# KiCad board mse-68-hd-panel.kicad_pcb (continued)
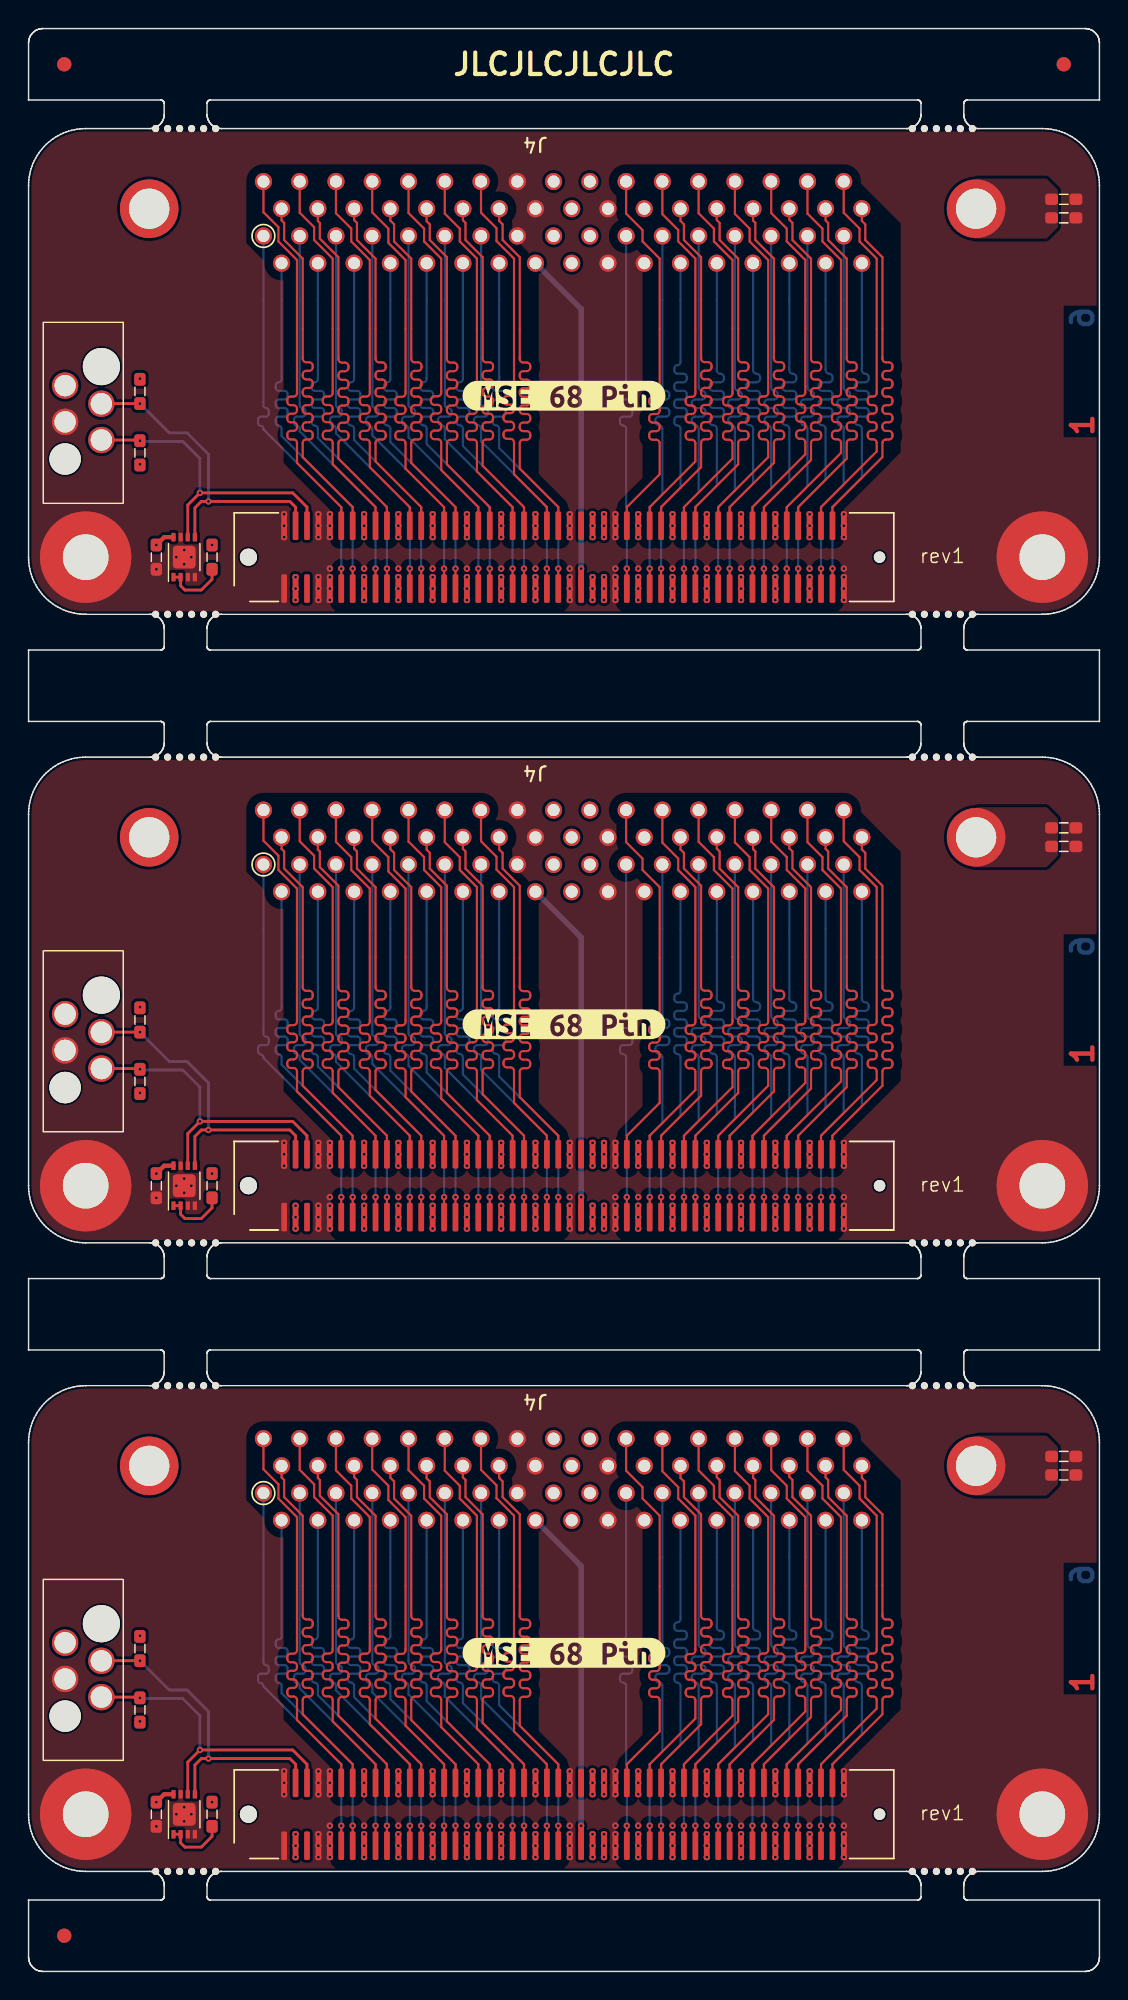
[diagram p0: board, top side]
## Routing (per net, layer and track width the routed paths; a pad name or vN(x,y) marks a point on that pad's centre or on a via; arc(x,y) is an arc through that point) (continued)
Board_1-/CON.DB9+: length 27.9
  Top w0.151: J1#3.91 v1(53.9,54.2)
  Bottom w0.151: J4#3.32 55.82,68.08 arc(55.89,67.91) 56.06,67.84 56.06,67.84 arc(56.23,67.77) 56.3,67.6 56.3,67.48 arc(56.23,67.31) 56.06,67.24 55.58,67.24 arc(55.41,67.17) 55.34,67 55.34,66.88 arc(55.41,66.71) 55.58,66.64 56.06,66.64 arc(56.23,66.57) 56.3,66.4 56.3,66.28 arc(56.23,66.11) 56.06,66.04 55.58,66.04 arc(55.41,65.97) 55.34,65.8 55.34,65.68 arc(55.41,65.51) 55.58,65.44 56.06,65.44 arc(56.23,65.37) 56.3,65.2 56.3,65.08 arc(56.23,64.91) 56.06,64.84 55.58,64.84 arc(55.41,64.77) 55.34,64.6 55.34,64.48 arc(55.41,64.31) 55.58,64.24 55.58,64.24 arc(55.75,64.17) 55.82,64 55.82,60.42 53.9,58.5 v1(53.9,54.2)
Board_1-/CON.DB9-: length 29.2
  Top w0.151: J4#3.66 55.82,78.58 56,78.4 56,77.2 57.3,75.9 57.3,68.88 arc(57.37,68.71) 57.54,68.64 57.77,68.64 arc(57.94,68.57) 58.01,68.4 58.01,68.28 arc(57.94,68.11) 57.77,68.04 57.54,68.04 arc(57.37,67.97) 57.3,67.8 57.3,67.68 arc(57.37,67.51) 57.54,67.44 57.77,67.44 arc(57.94,67.37) 58.01,67.2 58.01,67.08 arc(57.94,66.91) 57.77,66.84 57.54,66.84 arc(57.37,66.77) 57.3,66.6 57.3,66.48 arc(57.37,66.31) 57.54,66.24 57.77,66.24 arc(57.94,66.17) 58.01,66 58.01,65.88 arc(57.94,65.71) 57.77,65.64 57.54,65.64 arc(57.37,65.57) 57.3,65.4 57.3,65.28 arc(57.37,65.11) 57.54,65.04 57.77,65.04 arc(57.94,64.97) 58.01,64.8 58.01,64.68 arc(57.94,64.51) 57.77,64.44 57.54,64.44 arc(57.37,64.37) 57.3,64.2 57.3,64.08 arc(57.37,63.91) 57.54,63.84 57.77,63.84 arc(57.94,63.77) 58.01,63.6 58.01,63.48 arc(57.94,63.31) 57.77,63.24 57.54,63.24 arc(57.37,63.17) 57.3,63 57.3,61.9 53.9,58.5 J1#3.92
Board_1-/CON.DB10+: length 27.9
  Top w0.151: J1#3.95 v1(55.5,54.2)
  Bottom w0.151: J4#3.33 57.09,66.86 arc(57.15,66.71) 57.31,66.64 arc(57.47,66.58) 57.53,66.42 57.53,66.26 arc(57.47,66.11) 57.31,66.04 56.87,66.04 arc(56.71,65.98) 56.64,65.82 56.64,65.67 arc(56.71,65.51) 56.87,65.44 57.31,65.44 arc(57.47,65.38) 57.54,65.22 57.54,65.07 arc(57.47,64.91) 57.31,64.84 56.87,64.84 arc(56.71,64.78) 56.65,64.62 56.65,64.44 arc(56.71,64.29) 56.87,64.22 arc(57.03,64.16) 57.09,64 57.09,60.09 55.5,58.5 v1(55.5,54.2)
Board_1-/CON.DB10-: length 29.2
  Top w0.151: J1#3.96 55.5,58.5 59.4,62.4 59.4,63.01 arc(59.33,63.18) 59.16,63.25 59.01,63.25 arc(58.84,63.32) 58.77,63.49 58.77,63.61 arc(58.84,63.78) 59.01,63.85 59.16,63.85 arc(59.33,63.92) 59.4,64.09 59.4,64.21 arc(59.33,64.38) 59.16,64.45 59.01,64.45 arc(58.84,64.52) 58.77,64.69 58.77,64.81 arc(58.84,64.98) 59.01,65.05 59.16,65.05 arc(59.33,65.12) 59.4,65.29 59.4,65.41 arc(59.33,65.58) 59.16,65.65 59.01,65.65 arc(58.84,65.72) 58.77,65.89 58.77,66.01 arc(58.84,66.18) 59.01,66.25 59.16,66.25 arc(59.33,66.32) 59.4,66.49 59.4,75.9 58.2,77.1 58.2,78 57.09,79.11 J4#3.67
Board_1-/CON.DB11+: length 27.9
  Top w0.151: J1#3.97 v1(56.3,54.2)
  Bottom w0.151: J4#3.34 58.36,68.08 arc(58.43,67.91) 58.6,67.84 arc(58.77,67.77) 58.84,67.6 58.84,67.48 arc(58.77,67.31) 58.6,67.24 58.12,67.24 arc(57.95,67.17) 57.88,67 57.88,66.88 arc(57.95,66.71) 58.12,66.64 58.6,66.64 arc(58.77,66.57) 58.84,66.4 58.84,66.28 arc(58.77,66.11) 58.6,66.04 58.12,66.04 arc(57.95,65.97) 57.88,65.8 57.88,65.68 arc(57.95,65.51) 58.12,65.44 58.6,65.44 arc(58.77,65.37) 58.84,65.2 58.84,65.08 arc(58.77,64.91) 58.6,64.84 58.12,64.84 arc(57.95,64.77) 57.88,64.6 57.88,64.48 arc(57.95,64.31) 58.12,64.24 arc(58.29,64.17) 58.36,64 58.36,60.56 56.3,58.5 v1(56.3,54.2)
Board_1-/CON.DB11-: length 29.2
  Top w0.151: J1#3.98 56.3,58.5 59.8,62 59.8,63 arc(59.87,63.17) 60.04,63.24 60.26,63.24 arc(60.43,63.31) 60.5,63.48 60.5,63.6 arc(60.43,63.77) 60.26,63.84 60.04,63.84 arc(59.87,63.91) 59.8,64.08 59.8,64.2 arc(59.87,64.37) 60.04,64.44 60.26,64.44 arc(60.43,64.51) 60.5,64.68 60.5,64.8 arc(60.43,64.97) 60.26,65.04 60.04,65.04 arc(59.87,65.11) 59.8,65.28 59.8,65.4 arc(59.87,65.57) 60.04,65.64 60.26,65.64 arc(60.43,65.71) 60.5,65.88 60.5,66 arc(60.43,66.17) 60.26,66.24 60.04,66.24 arc(59.87,66.31) 59.8,66.48 59.8,66.6 arc(59.87,66.77) 60.04,66.84 60.26,66.84 arc(60.43,66.91) 60.5,67.08 60.5,67.2 arc(60.43,67.37) 60.26,67.44 60.04,67.44 arc(59.87,67.51) 59.8,67.68 59.8,67.8 arc(59.87,67.97) 60.04,68.04 60.26,68.04 arc(60.43,68.11) 60.5,68.28 60.5,68.4 arc(60.43,68.57) 60.26,68.64 60.04,68.64 arc(59.87,68.71) 59.8,68.88 59.8,76 58.6,77.2 58.6,78.3 58.36,78.54 J4#3.68
Board_1-/CON.DB12+: length 27.9
  Top w0.151: J1#3.11 v1(21.9,54.2)
  Bottom w0.151: v1(21.9,54.2) 21.9,58.5 16.45,63.95 16.45,64 arc(16.4,64.13) 16.26,64.19 arc(16.13,64.24) 16.08,64.37 16.08,64.66 arc(16.13,64.79) 16.26,64.84 16.64,64.84 arc(16.77,64.9) 16.82,65.03 16.82,65.26 arc(16.77,65.39) 16.64,65.44 arc(16.5,65.5) 16.45,65.63 J4#3.1
Board_1-/CON.DB12-: length 29.2
  Top w0.151: J4#3.35 16.45,79.15 17.5,78.1 17.5,77.1 18.8,75.8 18.8,66.48 arc(18.73,66.31) 18.56,66.24 18.36,66.24 arc(18.19,66.17) 18.12,66 18.12,65.88 arc(18.19,65.71) 18.36,65.64 18.56,65.64 arc(18.73,65.57) 18.8,65.4 18.8,65.28 arc(18.73,65.11) 18.56,65.04 18.36,65.04 arc(18.19,64.97) 18.12,64.8 18.12,64.68 arc(18.19,64.51) 18.36,64.44 18.56,64.44 arc(18.73,64.37) 18.8,64.2 18.8,64.08 arc(18.73,63.91) 18.56,63.84 18.36,63.84 arc(18.19,63.77) 18.12,63.6 18.12,63.48 arc(18.19,63.31) 18.36,63.24 18.56,63.24 arc(18.73,63.17) 18.8,63 18.8,61.6 21.9,58.5 J1#3.12
Board_1-/CON.DB13+: length 27.9
  Top w0.151: J1#3.13 v1(22.7,54.2)
  Bottom w0.151: J4#3.2 17.72,67.45 arc(17.66,67.3) 17.51,67.24 arc(17.37,67.18) 17.31,67.04 17.31,66.85 arc(17.37,66.7) 17.51,66.64 17.93,66.64 arc(18.08,66.58) 18.14,66.43 18.14,66.25 arc(18.08,66.1) 17.93,66.04 17.51,66.04 arc(17.36,65.98) 17.3,65.83 17.3,65.65 arc(17.36,65.5) 17.51,65.44 17.93,65.44 arc(18.08,65.38) 18.14,65.23 18.14,65.05 arc(18.08,64.9) 17.93,64.84 17.51,64.84 arc(17.37,64.78) 17.31,64.64 17.31,64.41 arc(17.37,64.27) 17.51,64.21 arc(17.66,64.15) 17.72,64 17.72,63.48 22.7,58.5 v1(22.7,54.2)
Board_1-/CON.DB13-: length 29.2
  Top w0.151: J1#3.14 22.7,58.5 19.2,62 19.2,63 arc(19.27,63.17) 19.44,63.24 19.66,63.24 arc(19.83,63.31) 19.9,63.48 19.9,63.6 arc(19.83,63.77) 19.66,63.84 19.44,63.84 arc(19.27,63.91) 19.2,64.08 19.2,64.2 arc(19.27,64.37) 19.44,64.44 19.66,64.44 arc(19.83,64.51) 19.9,64.68 19.9,64.8 arc(19.83,64.97) 19.66,65.04 19.44,65.04 arc(19.27,65.11) 19.2,65.28 19.2,65.4 arc(19.27,65.57) 19.44,65.64 19.66,65.64 arc(19.83,65.71) 19.9,65.88 19.9,66 arc(19.83,66.17) 19.66,66.24 19.44,66.24 arc(19.27,66.31) 19.2,66.48 19.2,66.6 arc(19.27,66.77) 19.44,66.84 19.66,66.84 arc(19.83,66.91) 19.9,67.08 19.9,67.2 arc(19.83,67.37) 19.66,67.44 19.44,67.44 arc(19.27,67.51) 19.2,67.68 19.2,67.8 arc(19.27,67.97) 19.44,68.04 19.66,68.04 arc(19.83,68.11) 19.9,68.28 19.9,68.4 arc(19.83,68.57) 19.66,68.64 19.44,68.64 arc(19.27,68.71) 19.2,68.88 19.2,75.9 17.9,77.2 17.9,78.4 17.72,78.58 J4#3.36
Board_1-/CON.DB14+: length 27.9
  Top w0.151: J1#3.17 v1(24.3,54.2)
  Bottom w0.151: v1(24.3,54.2) 24.3,58.5 18.99,63.81 18.99,64 arc(18.93,64.14) 18.79,64.2 arc(18.66,64.26) 18.6,64.39 18.6,64.65 arc(18.66,64.78) 18.79,64.84 19.19,64.84 arc(19.32,64.9) 19.38,65.04 19.38,65.25 arc(19.32,65.38) 19.19,65.44 arc(19.05,65.5) 18.99,65.64 J4#3.3
Board_1-/CON.DB14-: length 29.2
  Top w0.151: J4#3.37 18.99,79.11 20,78.1 20,77.2 21.3,75.9 21.3,66.49 arc(21.23,66.32) 21.06,66.25 20.85,66.25 arc(20.68,66.18) 20.61,66.01 20.61,65.89 arc(20.68,65.72) 20.85,65.65 21.06,65.65 arc(21.23,65.58) 21.3,65.41 21.3,65.29 arc(21.23,65.12) 21.06,65.05 20.85,65.05 arc(20.68,64.98) 20.61,64.81 20.61,64.69 arc(20.68,64.52) 20.85,64.45 21.06,64.45 arc(21.23,64.38) 21.3,64.21 21.3,64.09 arc(21.23,63.92) 21.06,63.85 20.85,63.85 arc(20.68,63.78) 20.61,63.61 20.61,63.49 arc(20.68,63.32) 20.85,63.25 21.06,63.25 arc(21.23,63.18) 21.3,63.01 21.3,61.5 24.3,58.5 J1#3.18
Board_1-/CON.DB15+: length 27.9
  Top w0.151: J1#3.19 v1(25.1,54.2)
  Bottom w0.151: J4#3.4 20.26,67.45 arc(20.2,67.3) 20.05,67.24 arc(19.9,67.18) 19.84,67.03 19.84,66.85 arc(19.9,66.7) 20.05,66.64 20.47,66.64 arc(20.63,66.58) 20.69,66.43 20.69,66.26 arc(20.63,66.1) 20.47,66.04 20.05,66.04 arc(19.89,65.98) 19.83,65.83 19.83,65.66 arc(19.89,65.5) 20.05,65.44 20.47,65.44 arc(20.63,65.38) 20.69,65.23 20.69,65.06 arc(20.63,64.9) 20.47,64.84 20.05,64.84 arc(19.9,64.78) 19.84,64.63 19.84,64.42 arc(19.9,64.27) 20.05,64.21 arc(20.2,64.15) 20.26,64 20.26,63.34 25.1,58.5 v1(25.1,54.2)
Board_1-/CON.DB15-: length 29.2
  Top w0.151: J4#3.38 20.26,78.54 20.4,78.4 20.4,77.3 21.7,76 21.7,68.86 arc(21.77,68.69) 21.94,68.62 22.17,68.62 arc(22.34,68.55) 22.41,68.38 22.41,68.26 arc(22.34,68.09) 22.17,68.02 21.94,68.02 arc(21.77,67.95) 21.7,67.78 21.7,67.66 arc(21.77,67.49) 21.94,67.42 22.17,67.42 arc(22.34,67.35) 22.41,67.18 22.41,67.06 arc(22.34,66.89) 22.17,66.82 21.94,66.82 arc(21.77,66.75) 21.7,66.58 21.7,66.46 arc(21.77,66.29) 21.94,66.22 22.17,66.22 arc(22.34,66.15) 22.41,65.98 22.41,65.86 arc(22.34,65.69) 22.17,65.62 21.94,65.62 arc(21.77,65.55) 21.7,65.38 21.7,65.26 arc(21.77,65.09) 21.94,65.02 22.17,65.02 arc(22.34,64.95) 22.41,64.78 22.41,64.66 arc(22.34,64.49) 22.17,64.42 21.94,64.42 arc(21.77,64.35) 21.7,64.18 21.7,64.06 arc(21.77,63.89) 21.94,63.82 22.17,63.82 arc(22.34,63.75) 22.41,63.58 22.41,63.46 arc(22.34,63.29) 22.17,63.22 21.94,63.22 arc(21.77,63.15) 21.7,62.98 21.7,61.9 25.1,58.5 J1#3.20
Board_1-/CON.DIFFSENSE: length 24.1
  Top w0.4: J1#3.53 v1(38.7,54.2)
  Bottom w0.4: J4#3.16 38.7,72.38 v1(38.7,54.2)
Board_1-/CON.DP0+: length 27.9
  Top w0.151: J1#3.49 v1(37.1,54.2)
  Bottom w0.151: J4#3.14 32.96,67.47 arc(32.89,67.31) 32.73,67.24 arc(32.56,67.17) 32.5,67.01 32.5,66.87 arc(32.56,66.71) 32.73,66.64 33.19,66.64 arc(33.36,66.57) 33.43,66.41 33.43,66.27 arc(33.36,66.11) 33.19,66.04 32.73,66.04 arc(32.56,65.97) 32.49,65.81 32.49,65.67 arc(32.56,65.51) 32.73,65.44 33.19,65.44 arc(33.36,65.37) 33.43,65.21 33.43,65.07 arc(33.36,64.91) 33.19,64.84 32.73,64.84 arc(32.56,64.77) 32.5,64.61 32.5,64.47 arc(32.56,64.3) 32.73,64.23 arc(32.89,64.17) 32.96,64 32.96,62.64 37.1,58.5 v1(37.1,54.2)
Board_1-/CON.DP0-: length 29.2
  Top w0.151: J1#3.50 37.1,58.5 34.4,61.2 34.4,62.99 arc(34.47,63.16) 34.64,63.23 34.9,63.23 arc(35.07,63.3) 35.14,63.47 35.14,63.59 arc(35.07,63.76) 34.9,63.83 34.64,63.83 arc(34.47,63.9) 34.4,64.07 34.4,64.19 arc(34.47,64.36) 34.64,64.43 34.9,64.43 arc(35.07,64.5) 35.14,64.67 35.14,64.79 arc(35.07,64.96) 34.9,65.03 34.64,65.03 arc(34.47,65.1) 34.4,65.27 34.4,65.39 arc(34.47,65.56) 34.64,65.63 34.9,65.63 arc(35.07,65.7) 35.14,65.87 35.14,65.99 arc(35.07,66.16) 34.9,66.23 34.64,66.23 arc(34.47,66.3) 34.4,66.47 34.4,66.59 arc(34.47,66.76) 34.64,66.83 34.9,66.83 arc(35.07,66.9) 35.14,67.07 35.14,67.19 arc(35.07,67.36) 34.9,67.43 34.64,67.43 arc(34.47,67.5) 34.4,67.67 34.4,67.79 arc(34.47,67.96) 34.64,68.03 34.9,68.03 arc(35.07,68.1) 35.14,68.27 35.14,68.39 arc(35.07,68.56) 34.9,68.63 34.64,68.63 arc(34.47,68.7) 34.4,68.87 34.4,76 33.2,77.2 33.2,78.3 32.96,78.54 J4#3.48
Board_1-/CON.DP1+: length 27.9
  Top w0.151: J1#3.23 v1(26.7,54.2)
  Bottom w0.151: v1(26.7,54.2) 26.7,58.5 21.53,63.67 21.53,64 arc(21.47,64.15) 21.32,64.21 arc(21.18,64.27) 21.12,64.42 21.12,64.64 arc(21.18,64.78) 21.32,64.84 21.74,64.84 arc(21.88,64.9) 21.94,65.05 21.94,65.24 arc(21.88,65.38) 21.74,65.44 arc(21.59,65.5) 21.53,65.65 J4#3.5
Board_1-/CON.DP1-: length 29.2
  Top w0.151: J1#3.24 26.7,58.5 23.9,61.3 23.9,63 arc(23.83,63.17) 23.66,63.24 23.44,63.24 arc(23.27,63.31) 23.2,63.48 23.2,63.6 arc(23.27,63.77) 23.44,63.84 23.66,63.84 arc(23.83,63.91) 23.9,64.08 23.9,64.2 arc(23.83,64.37) 23.66,64.44 23.44,64.44 arc(23.27,64.51) 23.2,64.68 23.2,64.8 arc(23.27,64.97) 23.44,65.04 23.66,65.04 arc(23.83,65.11) 23.9,65.28 23.9,65.4 arc(23.83,65.57) 23.66,65.64 23.44,65.64 arc(23.27,65.71) 23.2,65.88 23.2,66 arc(23.27,66.17) 23.44,66.24 23.66,66.24 arc(23.83,66.31) 23.9,66.48 23.9,75.8 22.6,77.1 22.6,78 21.53,79.07 J4#3.39
Board_1-/CON.I/O+: length 27.9
  Top w0.151: J1#3.85 v1(51.5,54.2)
  Bottom w0.151: J4#3.30 53.28,68.08 arc(53.35,67.91) 53.52,67.84 53.53,67.84 arc(53.7,67.77) 53.77,67.6 53.77,67.48 arc(53.7,67.31) 53.53,67.24 53.03,67.24 arc(52.86,67.17) 52.79,67 52.79,66.88 arc(52.86,66.71) 53.03,66.64 53.53,66.64 arc(53.7,66.57) 53.77,66.4 53.77,66.28 arc(53.7,66.11) 53.53,66.04 53.03,66.04 arc(52.86,65.97) 52.79,65.8 52.79,65.68 arc(52.86,65.51) 53.03,65.44 53.53,65.44 arc(53.7,65.37) 53.77,65.2 53.77,65.08 arc(53.7,64.91) 53.53,64.84 53.03,64.84 arc(52.86,64.77) 52.79,64.6 52.79,64.48 arc(52.86,64.31) 53.03,64.24 53.04,64.24 arc(53.21,64.17) 53.28,64 53.28,60.28 51.5,58.5 v1(51.5,54.2)
Board_1-/CON.I/O-: length 29.2
  Top w0.151: J1#3.86 51.5,58.5 54.8,61.8 54.8,63 arc(54.87,63.17) 55.04,63.24 55.27,63.24 arc(55.44,63.31) 55.51,63.48 55.51,63.6 arc(55.44,63.77) 55.27,63.84 55.04,63.84 arc(54.87,63.91) 54.8,64.08 54.8,64.2 arc(54.87,64.37) 55.04,64.44 55.27,64.44 arc(55.44,64.51) 55.51,64.68 55.51,64.8 arc(55.44,64.97) 55.27,65.04 55.04,65.04 arc(54.87,65.11) 54.8,65.28 54.8,65.4 arc(54.87,65.57) 55.04,65.64 55.27,65.64 arc(55.44,65.71) 55.51,65.88 55.51,66 arc(55.44,66.17) 55.27,66.24 55.04,66.24 arc(54.87,66.31) 54.8,66.48 54.8,66.6 arc(54.87,66.77) 55.04,66.84 55.27,66.84 arc(55.44,66.91) 55.51,67.08 55.51,67.2 arc(55.44,67.37) 55.27,67.44 55.04,67.44 arc(54.87,67.51) 54.8,67.68 54.8,67.8 arc(54.87,67.97) 55.04,68.04 55.27,68.04 arc(55.44,68.11) 55.51,68.28 55.51,68.4 arc(55.44,68.57) 55.27,68.64 55.04,68.64 arc(54.87,68.71) 54.8,68.88 54.8,75.9 53.5,77.2 53.5,78.4 53.28,78.62 J4#3.64
Board_1-/CON.MSG+: length 27.9
  Top w0.151: J1#3.73 v1(46.7,54.2)
  Bottom w0.151: J4#3.26 48.2,68.08 arc(48.27,67.91) 48.44,67.84 48.46,67.84 arc(48.63,67.77) 48.7,67.6 48.7,67.48 arc(48.63,67.31) 48.46,67.24 47.94,67.24 arc(47.77,67.17) 47.7,67 47.7,66.88 arc(47.77,66.71) 47.94,66.64 48.46,66.64 arc(48.63,66.57) 48.7,66.4 48.7,66.28 arc(48.63,66.11) 48.46,66.04 47.94,66.04 arc(47.77,65.97) 47.7,65.8 47.7,65.68 arc(47.77,65.51) 47.94,65.44 48.46,65.44 arc(48.63,65.37) 48.7,65.2 48.7,65.08 arc(48.63,64.91) 48.46,64.84 47.94,64.84 arc(47.77,64.77) 47.7,64.6 47.7,64.48 arc(47.77,64.31) 47.94,64.24 47.96,64.24 arc(48.13,64.17) 48.2,64 48.2,60 46.7,58.5 v1(46.7,54.2)
Board_1-/CON.MSG-: length 29.2
  Top w0.151: J4#3.60 48.2,78.6 48.4,78.4 48.4,77.2 49.7,75.9 49.7,68.88 arc(49.77,68.71) 49.94,68.64 50.18,68.64 arc(50.35,68.57) 50.42,68.4 50.42,68.28 arc(50.35,68.11) 50.18,68.04 49.94,68.04 arc(49.77,67.97) 49.7,67.8 49.7,67.68 arc(49.77,67.51) 49.94,67.44 50.18,67.44 arc(50.35,67.37) 50.42,67.2 50.42,67.08 arc(50.35,66.91) 50.18,66.84 49.94,66.84 arc(49.77,66.77) 49.7,66.6 49.7,66.48 arc(49.77,66.31) 49.94,66.24 50.18,66.24 arc(50.35,66.17) 50.42,66 50.42,65.88 arc(50.35,65.71) 50.18,65.64 49.94,65.64 arc(49.77,65.57) 49.7,65.4 49.7,65.28 arc(49.77,65.11) 49.94,65.04 50.18,65.04 arc(50.35,64.97) 50.42,64.8 50.42,64.68 arc(50.35,64.51) 50.18,64.44 49.94,64.44 arc(49.77,64.37) 49.7,64.2 49.7,64.08 arc(49.77,63.91) 49.94,63.84 50.18,63.84 arc(50.35,63.77) 50.42,63.6 50.42,63.48 arc(50.35,63.31) 50.18,63.24 49.94,63.24 arc(49.77,63.17) 49.7,63 49.7,61.5 46.7,58.5 J1#3.74
Board_1-/CON.REQ+: length 27.9
  Top w0.151: J1#3.83 v1(50.7,54.2)
  Bottom w0.151: J4#3.29 52.01,66.87 arc(52.08,66.71) 52.24,66.64 arc(52.41,66.57) 52.47,66.41 52.47,66.27 arc(52.41,66.11) 52.24,66.04 51.78,66.04 arc(51.61,65.97) 51.54,65.81 51.54,65.67 arc(51.61,65.51) 51.78,65.44 52.24,65.44 arc(52.41,65.37) 52.48,65.21 52.48,65.07 arc(52.41,64.91) 52.24,64.84 51.78,64.84 arc(51.61,64.77) 51.55,64.61 51.55,64.47 arc(51.61,64.3) 51.78,64.23 arc(51.94,64.17) 52.01,64 52.01,59.81 50.7,58.5 v1(50.7,54.2)
Board_1-/CON.REQ-: length 29.2
  Top w0.151: J1#3.84 50.7,58.5 54.4,62.2 54.4,63.05 arc(54.33,63.22) 54.16,63.29 54,63.29 arc(53.83,63.36) 53.76,63.53 53.76,63.65 arc(53.83,63.82) 54,63.89 54.16,63.89 arc(54.33,63.96) 54.4,64.13 54.4,64.25 arc(54.33,64.42) 54.16,64.49 54,64.49 arc(53.83,64.56) 53.76,64.73 53.76,64.85 arc(53.83,65.02) 54,65.09 54.16,65.09 arc(54.33,65.16) 54.4,65.33 54.4,65.45 arc(54.33,65.62) 54.16,65.69 54,65.69 arc(53.83,65.76) 53.76,65.93 53.76,66.05 arc(53.83,66.22) 54,66.29 54.16,66.29 arc(54.33,66.36) 54.4,66.53 54.4,75.8 53.1,77.1 53.1,78 52.01,79.09 J4#3.63
Board_1-/CON.RST+: length 27.9
  Top w0.151: J1#3.71 v1(45.9,54.2)
  Bottom w0.151: v1(45.9,54.2) 45.9,58.5 46.93,59.53 46.93,64 arc(46.86,64.17) 46.69,64.24 46.69,64.24 arc(46.52,64.31) 46.45,64.48 46.45,64.6 arc(46.52,64.77) 46.69,64.84 47.17,64.84 arc(47.34,64.91) 47.41,65.08 47.41,65.2 arc(47.34,65.37) 47.17,65.44 46.69,65.44 arc(46.52,65.51) 46.45,65.68 46.45,65.8 arc(46.52,65.97) 46.69,66.04 47.17,66.04 arc(47.34,66.11) 47.41,66.28 47.41,66.4 arc(47.34,66.57) 47.17,66.64 47.17,66.64 arc(47,66.71) 46.93,66.88 J4#3.25
Board_1-/CON.RST-: length 29.2
  Top w0.151: J4#3.59 46.93,79.07 48,78 48,77.1 49.3,75.8 49.3,66.46 arc(49.23,66.29) 49.06,66.22 48.88,66.22 arc(48.71,66.15) 48.64,65.98 48.64,65.86 arc(48.71,65.69) 48.88,65.62 49.06,65.62 arc(49.23,65.55) 49.3,65.38 49.3,65.26 arc(49.23,65.09) 49.06,65.02 48.88,65.02 arc(48.71,64.95) 48.64,64.78 48.64,64.66 arc(48.71,64.49) 48.88,64.42 49.06,64.42 arc(49.23,64.35) 49.3,64.18 49.3,64.06 arc(49.23,63.89) 49.06,63.82 48.88,63.82 arc(48.71,63.75) 48.64,63.58 48.64,63.46 arc(48.71,63.29) 48.88,63.22 49.06,63.22 arc(49.23,63.15) 49.3,62.98 49.3,61.9 45.9,58.5 J1#3.72
Board_1-/CON.SEL+: length 27.9
  Top w0.151: J1#3.77 v1(48.3,54.2)
  Bottom w0.151: v1(48.3,54.2) 48.3,58.5 49.47,59.67 49.47,64 arc(49.4,64.17) 49.23,64.24 arc(49.07,64.31) 49,64.48 49,64.6 arc(49.07,64.77) 49.23,64.84 49.71,64.84 arc(49.88,64.91) 49.94,65.08 49.94,65.2 arc(49.88,65.37) 49.71,65.44 49.23,65.44 arc(49.06,65.51) 49,65.68 49,65.8 arc(49.06,65.97) 49.23,66.04 49.71,66.04 arc(49.87,66.11) 49.94,66.28 49.94,66.4 arc(49.87,66.57) 49.71,66.64 arc(49.54,66.71) 49.47,66.88 J4#3.27
Board_1-/CON.SEL-: length 29.2
  Top w0.151: J4#3.61 49.47,79.03 50.5,78 50.5,77.1 51.8,75.8 51.8,66.49 arc(51.73,66.32) 51.56,66.25 51.38,66.25 arc(51.21,66.18) 51.14,66.01 51.14,65.89 arc(51.21,65.72) 51.38,65.65 51.56,65.65 arc(51.73,65.58) 51.8,65.41 51.8,65.29 arc(51.73,65.12) 51.56,65.05 51.38,65.05 arc(51.21,64.98) 51.14,64.81 51.14,64.69 arc(51.21,64.52) 51.38,64.45 51.56,64.45 arc(51.73,64.38) 51.8,64.21 51.8,64.09 arc(51.73,63.92) 51.56,63.85 51.38,63.85 arc(51.21,63.78) 51.14,63.61 51.14,63.49 arc(51.21,63.32) 51.38,63.25 51.56,63.25 arc(51.73,63.18) 51.8,63.01 51.8,62 48.3,58.5 J1#3.78
Board_1-/CON.TERMPWR:
  vias: v1(39.5,58) v1(39.5,57.2) v1(39.5,56.4) v1(39.5,53.6) v1(39.5,52.8) v1(39.5,52) v1(40.3,58) v1(40.3,57.2) v1(40.3,56.4) v1(40.3,53.6) v1(40.3,52.8) v1(40.3,52)
Board_1-/PHY.ID_SCL: length 22.5
  Top w0.2: v1(7.8,63.15) 7.45,63.15 7.4,63.2 J3.4 ; J1#3.6 19.5,58.5 18.5,59.5 v1(12,59.5) 11.15,58.65 U1#3.6
  Bottom w0.2: v1(12,59.5) 12,61.9 10.8,63.1 7.85,63.1 v1(7.8,63.15)
Board_1-/PHY.ID_SDA: length 23
  Top w0.2: J1#3.4 18.7,58.5 18.3,58.9 12.1,58.9 11.65,58.45 U1#3.5 ; v1(7.8,65.75) 5.11,65.75 J3.2
  Bottom w0.2: v1(12.6,58.9) 12.6,62.2 11.1,63.7 9.85,63.7 v1(7.8,65.75)
Board_1-GND:
  vias: v1(8.95,54.15) v1(10.35,55) v1(10.9,55.5) v1(10.9,54.5) v1(11.4,55) v1(17.9,58) v1(17.9,57.2) v1(17.9,56.4) v1(20.3,58) v1(20.3,57.2) v1(20.3,56.4) v1(20.3,53.6) v1(20.3,52.8) v1(20.3,52) v1(21.1,58) v1(21.1,57.2) v1(21.1,56.4) v1(21.1,54.2) v1(21.1,53.6) v1(21.1,52.8) v1(21.1,52) v1(23.5,58) v1(23.5,57.2) v1(23.5,56.4) v1(23.5,54.2) v1(23.5,53.6) v1(23.5,52.8) v1(23.5,52) v1(25.9,58) v1(25.9,57.2) v1(25.9,56.4) v1(25.9,54.2) v1(25.9,53.6) v1(25.9,52.8) v1(25.9,52) v1(28.3,58) v1(28.3,57.2) v1(28.3,56.4) v1(28.3,54.2) v1(28.3,53.6) v1(28.3,52.8) v1(28.3,52) v1(30.7,58) v1(30.7,57.2) v1(30.7,56.4) v1(30.7,54.2) v1(30.7,53.6) v1(30.7,52.8) v1(30.7,52) v1(33.1,58) v1(33.1,57.2) v1(33.1,56.4) v1(33.1,54.2) v1(33.1,53.6) v1(33.1,52.8) v1(33.1,52) v1(35.5,58) v1(35.5,57.2) v1(35.5,56.4) v1(35.5,54.2) v1(35.5,53.6) v1(35.5,52.8) v1(35.5,52) v1(37.9,58) v1(37.9,57.2) v1(37.9,56.4) v1(37.9,54.2) v1(37.9,53.6) v1(37.9,52.8) v1(37.9,52) v1(41.1,58) v1(41.1,57.2) v1(41.1,56.4) v1(41.1,54.2) v1(41.1,53.6) v1(41.1,52.8) v1(41.1,52) v1(42.7,58) v1(42.7,57.2) v1(42.7,56.4) v1(42.7,54.2) v1(42.7,53.6) v1(42.7,52.8) v1(42.7,52) v1(45.1,58) v1(45.1,57.2) v1(45.1,56.4) v1(45.1,54.2) v1(45.1,53.6) v1(45.1,52.8) v1(45.1,52) v1(47.5,58) v1(47.5,57.2) v1(47.5,56.4) v1(47.5,54.2) v1(47.5,53.6) v1(47.5,52.8) v1(47.5,52) v1(49.9,58) v1(49.9,57.2) v1(49.9,56.4) v1(49.9,54.2) v1(49.9,53.6) v1(49.9,52.8) v1(49.9,52) v1(52.3,58) v1(52.3,57.2) v1(52.3,56.4) v1(52.3,54.2) v1(52.3,53.6) v1(52.3,52.8) v1(52.3,52) v1(54.7,58) v1(54.7,57.2) v1(54.7,56.4) v1(54.7,54.2) v1(54.7,53.6) v1(54.7,52.8) v1(54.7,52) v1(57.1,58) v1(57.1,57.2) v1(57.1,56.4) v1(57.1,54.2) v1(57.1,53.6) v1(57.1,52.8) v1(57.1,52)
Board_1-Net-(U1-E0): length 4.4
  Top w0.2: U1#3.1 U1#3.2 10.65,53 10.95,52.7 12.1,52.7 12.85,53.45 R1#3.1
Board_2-+3V3: length 1.4
  Top w0.3: U1#2.8 9.5,12.4 v1(8.95,11.85)
  vias: v1(7.8,23.5) v1(7.8,17.5) v1(12.85,11.85) v1(18.7,9.6) v1(18.7,8.8) v1(18.7,8)
Board_2-/CON.ACK+: length 27.9
  Top w0.151: J1.67 v1(44.3,10.2)
  Bottom w0.151: v1(44.3,10.2) 44.3,14.5 45.66,15.86 45.66,20 arc(45.6,20.15) 45.44,20.22 arc(45.29,20.28) 45.23,20.43 45.23,20.63 arc(45.29,20.78) 45.44,20.84 45.88,20.84 arc(46.03,20.91) 46.1,21.06 46.1,21.22 arc(46.03,21.38) 45.88,21.44 45.44,21.44 arc(45.29,21.51) 45.22,21.66 45.22,21.82 arc(45.29,21.98) 45.44,22.04 45.88,22.04 arc(46.03,22.11) 46.1,22.26 46.1,22.42 arc(46.03,22.58) 45.88,22.64 45.44,22.64 arc(45.29,22.71) 45.22,22.86 45.22,23.02 arc(45.29,23.18) 45.44,23.24 45.88,23.24 arc(46.03,23.31) 46.1,23.46 46.1,23.62 arc(46.03,23.78) 45.88,23.84 45.44,23.84 arc(45.29,23.91) 45.23,24.06 45.23,24.23 arc(45.29,24.38) 45.44,24.44 arc(45.6,24.51) 45.66,24.66 J4#2.24
Board_2-/CON.ACK-: length 29.2
  Top w0.151: J4#2.58 45.66,34.54 45.9,34.3 45.9,33.2 47.1,32 47.1,24.89 arc(47.17,24.72) 47.34,24.65 47.59,24.65 arc(47.76,24.58) 47.83,24.41 47.83,24.29 arc(47.76,24.12) 47.59,24.05 47.34,24.05 arc(47.17,23.98) 47.1,23.81 47.1,23.69 arc(47.17,23.52) 47.34,23.45 47.59,23.45 arc(47.76,23.38) 47.83,23.21 47.83,23.09 arc(47.76,22.92) 47.59,22.85 47.34,22.85 arc(47.17,22.78) 47.1,22.61 47.1,22.49 arc(47.17,22.32) 47.34,22.25 47.59,22.25 arc(47.76,22.18) 47.83,22.01 47.83,21.89 arc(47.76,21.72) 47.59,21.65 47.34,21.65 arc(47.17,21.58) 47.1,21.41 47.1,21.29 arc(47.17,21.12) 47.34,21.05 47.59,21.05 arc(47.76,20.98) 47.83,20.81 47.83,20.69 arc(47.76,20.52) 47.59,20.45 47.34,20.45 arc(47.17,20.38) 47.1,20.21 47.1,20.09 arc(47.17,19.92) 47.34,19.85 47.59,19.85 arc(47.76,19.78) 47.83,19.61 47.83,19.49 arc(47.76,19.32) 47.59,19.25 47.34,19.25 arc(47.17,19.18) 47.1,19.01 47.1,17.3 44.3,14.5 J1.68
Board_2-/CON.ATN+: length 27.9
  Top w0.151: J1.61 v1(41.9,10.2)
  Bottom w0.151: J4#2.21 41.85,23.46 arc(41.79,23.31) 41.63,23.24 arc(41.48,23.18) 41.42,23.03 41.42,22.86 arc(41.48,22.71) 41.63,22.64 42.07,22.64 arc(42.22,22.58) 42.29,22.42 42.29,22.26 arc(42.22,22.11) 42.07,22.04 41.63,22.04 arc(41.48,21.98) 41.41,21.82 41.41,21.66 arc(41.48,21.51) 41.63,21.44 42.07,21.44 arc(42.22,21.38) 42.29,21.22 42.29,21.06 arc(42.22,20.91) 42.07,20.84 41.63,20.84 arc(41.48,20.78) 41.42,20.63 41.42,20.43 arc(41.48,20.28) 41.63,20.22 arc(41.79,20.15) 41.85,20 41.85,14.55 41.9,14.5 v1(41.9,10.2)
Board_2-/CON.ATN-: length 29.2
  Top w0.151: J1.62 41.9,14.5 44.2,16.8 44.2,18.98 arc(44.13,19.15) 43.96,19.22 43.7,19.22 arc(43.53,19.29) 43.46,19.46 43.46,19.58 arc(43.53,19.75) 43.7,19.82 43.96,19.82 arc(44.13,19.89) 44.2,20.06 44.2,20.18 arc(44.13,20.35) 43.96,20.42 43.7,20.42 arc(43.53,20.49) 43.46,20.66 43.46,20.78 arc(43.53,20.95) 43.7,21.02 43.96,21.02 arc(44.13,21.09) 44.2,21.26 44.2,21.38 arc(44.13,21.55) 43.96,21.62 43.7,21.62 arc(43.53,21.69) 43.46,21.86 43.46,21.98 arc(43.53,22.15) 43.7,22.22 43.96,22.22 arc(44.13,22.29) 44.2,22.46 44.2,31.9 43,33.1 43,33.9 41.85,35.05 J4#2.55
Board_2-/CON.BSY+: length 27.9
  Top w0.151: J1.65 v1(43.5,10.2)
  Bottom w0.151: v1(43.5,10.2) 43.5,14.5 44.39,15.39 44.39,20 arc(44.32,20.17) 44.15,20.24 44.14,20.24 arc(43.97,20.31) 43.9,20.48 43.9,20.6 arc(43.97,20.77) 44.14,20.84 44.64,20.84 arc(44.81,20.91) 44.88,21.08 44.88,21.2 arc(44.81,21.37) 44.64,21.44 44.14,21.44 arc(43.97,21.51) 43.9,21.68 43.9,21.8 arc(43.97,21.97) 44.14,22.04 44.64,22.04 arc(44.81,22.11) 44.88,22.28 44.88,22.4 arc(44.81,22.57) 44.64,22.64 44.63,22.64 arc(44.46,22.71) 44.39,22.88 J4#2.23
Board_2-/CON.BSY-: length 29.2
  Top w0.151: J4#2.57 44.39,35.01 45.5,33.9 45.5,33.1 46.7,31.9 46.7,22.46 arc(46.63,22.29) 46.46,22.22 46.26,22.22 arc(46.09,22.15) 46.02,21.98 46.02,21.86 arc(46.09,21.69) 46.26,21.62 46.46,21.62 arc(46.63,21.55) 46.7,21.38 46.7,21.26 arc(46.63,21.09) 46.46,21.02 46.26,21.02 arc(46.09,20.95) 46.02,20.78 46.02,20.66 arc(46.09,20.49) 46.26,20.42 46.46,20.42 arc(46.63,20.35) 46.7,20.18 46.7,20.06 arc(46.63,19.89) 46.46,19.82 46.26,19.82 arc(46.09,19.75) 46.02,19.58 46.02,19.46 arc(46.09,19.29) 46.26,19.22 46.46,19.22 arc(46.63,19.15) 46.7,18.98 46.7,17.7 43.5,14.5 J1.66
